# Altium PCB PCB1-recovery2.PcbDoc (part 1 of 5) (continued)
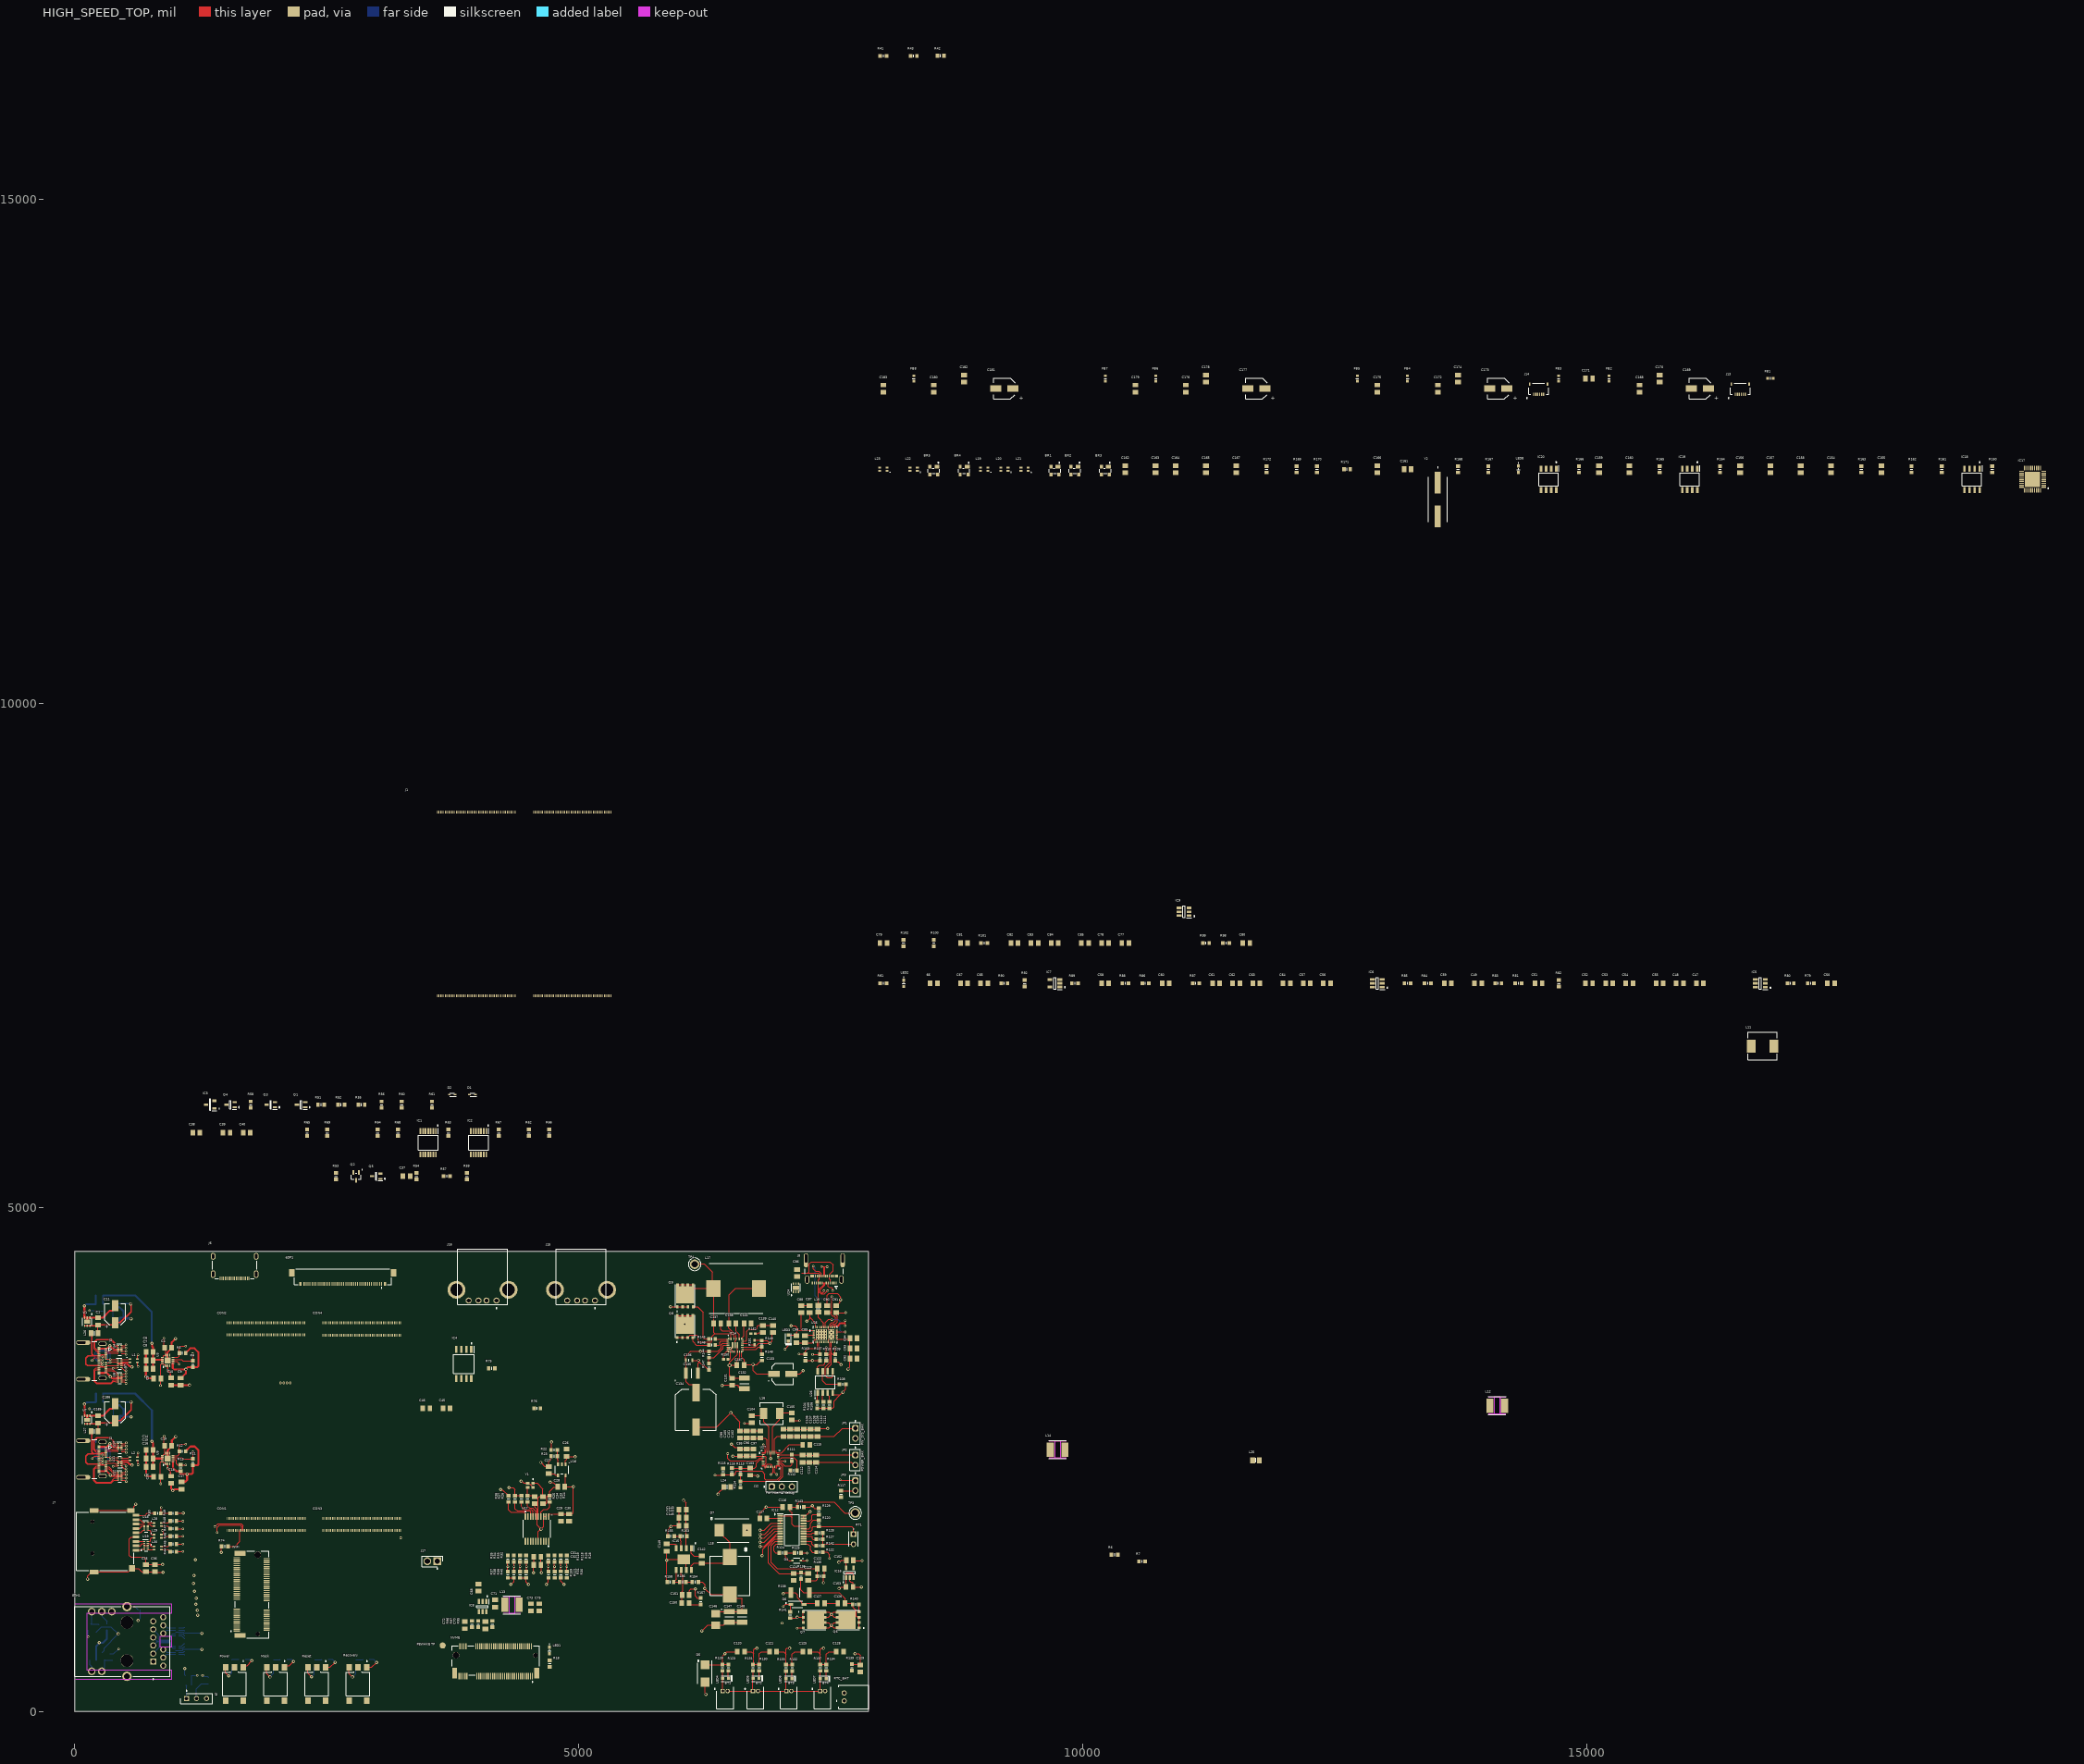
[diagram p0: HIGH_SPEED_TOP view]
## Components (designator, comment, footprint, x,y, rotation, side; value= is the part's Value field where it differs from the comment) (continued)
C105 "47nF/25V" C0805 7113,2929 r90 top value=47nF
C106 "0.1uF/50V" C0805 7030,2765.83 r270 top value=100nF
C107 "10uF/25V" C0805 7097.28,2765.83 r270 top value=10uF
C108 "10uF/25V" C0805 7164.57,2765.83 r270 top value=10uF
C109 "10uF/25V" C0805 7231.85,2765.83 r270 top value=10uF
C110 "10uF/25V" C0805 7299.14,2765.83 r270 top value=10uF
C111 "10uF/25V" C0805 7366.42,2765.83 r270 top value=10uF
C112 "0.1uF/50V" C0805 7219.72,2508.65 r90 top value=100nF
C113 "10uF/25V" C0805 7287,2508.65 r90 top value=10uF
C114 "10uF/25V" C0805 7354.28,2508.65 r90 top value=10uF
C115 "1nF/50V" C0805 7256,2647 r180 top value=1nF
C116 "1uF/25V" C0805 7057,2030 r180 top value=1uF
C117 "1uF/25V" C0805 6831,1918 r180 top value=1uF
C120 "1uF/25V" C0805 6608,595 r180 top value=1uF
C121 "1uF/25V" C0805 6926,595 r180 top value=1uF
C122 "0.1uF/25V" C0805 7401,1419 r180 top value=100nF
C123 "0.1uF/25V" C0805 7275,1336 r270 top value=100nF
C124 "0.1uF/25V" C0805 7130,1336 r90 top value=100nF
C125 "1uF/25V" C0805 7257,595 r180 top value=1uF
C126 "0.1uF/25V" C0805 7605,1074 r180 top value=100nF
C127 "0.1uF/25V" C0805 7402,1074 r180 top value=100nF
C128 "1uF/25V" C0805 7590,595 r180 top value=1uF
C129 "1uF/25V" C0805 7793,428.14 r270 top value=1uF
C131 "1uF/25V" C0805 6522,3273 r90 top value=1uF
C132 "22uF/25V" CAPC3225X270N 6641,3256 r90 top value=22uF
C133 "20SVPF56MX" 16SVF82M 7023,3351 r0 top value=56uF
C134 "120uF/35V" 16SVF1000M 6161.6,2994.51 r180 top value=120uF
C135 "10uF/50V" CAPC3225X230N 6120.88,3356.05 r180 top value=10uF
C136 "1uF/50V" CAPC1608X80N 6094,3487 r180 top value=1uF
C137 "0.1uF/16V" C0805 6373,3850 r180 top value=100nF
C138 "0.1uF/16V" C0805 6524,3850 r180 top value=100nF
C139 "4.7nF/16V" C0805 6826,3796 r90 top value=4.7nF
C140 "15pF/16V" C0805 6926,3796 r90 top value=15pF
C141 "4.7uF/16V" C0805 6674,3850 r180 top value=4.7uF
C142 "0.1uF/25V" C0805 6220,1508 r270 top value=100nF
C143 "4.7uF/50V" C0805 6030,2005 r0 top value=4.7uF
C144 "4.7uF/50V" C0805 6030,1924 r0 top value=4.7uF
C145 "10nF/50V" C0805 6030,1844 r0 top value=10nF
C146 "100uF/6.3V" T520B 6359,915 r270 top value=100uF
C147 "47uF/10V" CAPC3225X270N 6493.29,939.85 r270 top value=47uF
C148 "47uF/10V" CAPC3225X270N 6621,940 r270 top value=47uF
C149 "10nF/25V" C0805 5871.06,1628 r90 top value=10nF
C150 "2.2nF/25V" C0805 6058,1077 r180 top
C151 "22pF/50V" C0805 6059,1157 r180 top value=22pF
C152 "10uF/25V" C0805 7689.2,1501.2 r180 top value=10uF
C153 "10uF/25V" C0805 7685.03,1236.5 r180 top value=10uF
C154 "1uF/16V" C0805 17422.05,12325.2 r270 top value=1uF
C155 "1nF/50V" C0805 17922.05,12325.2 r270 top value=1nF
C156 "0.1uF/6.3V" C0805 16522.05,12325.2 r270 top value=100nF
C157 "4.7uF / 6.3V" C0805 16822.05,12325.2 r270 top value=4.7uF
C158 "0.1uF/6.3V" C0805 17122.05,12325.2 r270 top value=100nF
C159 "0.1uF/6.3V" C0805 15122.05,12325.2 r270 top value=100nF
C160 "0.1uF/6.3V" C0805 15422.05,12325.2 r270 top value=100nF
C161 "18pF/50V" C0805 13222.05,12325.2 r180 top value=18pF
C162 "0.1uF/6.3V" C0805 10422.05,12325.2 r270 top value=100nF
C163 "0.1uF/6.3V" C0805 10722.05,12325.2 r270 top value=100nF
C164 "0.1uF/6.3V" C0805 10922.05,12325.2 r270 top value=100nF
C165 "0.1uF/6.3V" C0805 11222.05,12325.2 r270 top value=100nF
C166 "0.1uF/6.3V" C0805 12922.05,12325.2 r270 top value=100nF
C167 "18pF/50V" C0805 11522.05,12325.2 r270 top value=18pF
C168 "0.1uF/6.3V" C0805 15522.05,13125.2 r270 top value=100nF
C169 "100uF / 6.3V" EEE0GA101SR 16122.05,13125.2 r180 top value=100uF
C170 "1nF/50V" C0805 15722.05,13225.2 r270 top value=1nF
C171 "0.1uF/6.3V" C0805 15022.05,13225.2 r180 top value=100nF
C172 "0.1uF/6.3V" C0805 13522.05,13125.2 r270 top value=100nF
C173 "100uF / 6.3V" EEE0GA101SR 14122.05,13125.2 r180 top value=100uF
C174 "1nF/50V" C0805 13722.05,13225.2 r270 top value=1nF
C175 "0.1uF/6.3V" C0805 12922.05,13125.2 r270 top value=100nF
C176 "0.1uF/6.3V" C0805 11022.05,13125.2 r270 top value=100nF
C177 "100uF / 6.3V" EEE0GA101SR 11722.05,13125.2 r180 top value=100uF
C178 "1nF/50V" C0805 11222.05,13225.2 r270 top value=1nF
C179 "0.1uF/6.3V" C0805 10522.05,13125.2 r270 top value=100nF
C180 "0.1uF/6.3V" C0805 8522.05,13125.2 r270 top value=100nF
C181 "100uF / 6.3V" EEE0GA101SR 9222.05,13125.2 r180 top value=100uF
C182 "1nF/50V" C0805 8822.05,13225.2 r270 top value=1nF
C183 "0.1uF/6.3V" C0805 8022.05,13125.2 r270 top value=100nF
C185 "0.1uF/6.3V" C0805 230,2899 r90 top value=100nF
C186 "100uF / 6.3V" EEE0GA101SR 400,2970 r90 top value=100uF
C187 "0.1uF/25V" C0805 6604,3438 r0 top value=100nF
CON1 "DF40HC" DF40HC30100DS04V51_MOD 1898.15,1856.04 r0 top
CON2 "DF40HC" DF40HC30100DS04V51_MOD 1897,3797 r0 top
CON3 "DF40HC" DF40HC30100DS04V51_MOD 2846.42,1856.26 r0 top
CON4 "DF40HC" DF40HC30100DS04V51_MOD 2847.03,3796.6 r0 top
D1 "30V/200mA" SODFL1608X70N 3943.66,6121.41 r180 top
D2 "30V/200mA" SODFL1608X70N 3743.66,6121.41 r180 top
D3 "30V/200mA" SODFL1608X70N 1131,261 r0 bottom
D4 "BAS316_RRG" BAS316RRG 7161,1499 r180 top
D5 "SMBJ26A-13-F" DIOM5336X250N 6252,379 r270 top
D6 "MMSZ5248B-7-F" SOD3716X115N 7168,1064 r0 top
D7 "CDBC540-G" DIOM8059X290N 6530,1799 r0 top
eDP1 "20455-040E-76" IPEX_20455-040E-76 2658.43,4318.59 r180 top
ETH1 "L829-1J1T-JM" RJ-45 517,696 r90 top
FB1 "220R / 100MHz" BLM18SP221SN1B 16822.05,13225.2 r180 top value=50mR
FB2 "220R / 100MHz" BLM18SP221SN1B 15222.05,13225.2 r270 top value=50mR
FB3 "220R / 100MHz" BLM18SP221SN1B 14722.05,13225.2 r270 top value=50mR
FB4 "220R / 100MHz" BLM18SP221SN1B 13222.05,13225.2 r270 top value=50mR
FB5 "220R / 100MHz" BLM18SP221SN1B 12722.05,13225.2 r270 top value=50mR
FB6 "220R / 100MHz" BLM18SP221SN1B 10722.05,13225.2 r270 top value=50mR
FB7 "220R / 100MHz" BLM18SP221SN1B 10222.05,13225.2 r270 top value=50mR
FB8 "220R / 100MHz" BLM18SP221SN1B 8322.05,13225.2 r270 top value=50mR
FB9 "220R / 100MHz" BLM18SP221SN1B 269.88,3369.11 r180 bottom value=50mR
FB10 "220R / 100MHz" BLM18SP221SN1B 270,2396 r180 bottom value=50mR
FB11 "220R / 100MHz" BLM18SP221SN1B 654,1010 r180 bottom value=50mR
IC1 "TMUX1511PWR" SOP65P640X120-14N 3505.05,5643.2 r270 top
IC2 "TMUX1511PWR" SOP65P640X120-14N 4005.05,5643.2 r270 top
IC3 "AP2331TDSA-7" SOT96P240X110-3N 1343.66,6021.41 r180 top
IC4 "AT25SF081B-SHB-T" SOIC127P798X216-8N 3859,3449 r270 top
IC5 "TPS564201DDCR" SOT95P280X110-6N 16722.05,7225.2 r180 top
IC6 "TPS564201DDCR" SOT95P280X110-6N 12922.05,7225.2 r180 top
IC7 "RT9193-18GB" SOT94P279X130-5N 9722.05,7225.2 r180 top
IC8 "TPS564201DDCR" SOT95P280X110-6N 4045,1043 r270 top
IC9 "TPS564201DDCR" SOT95P280X110-6N 11005,7936 r180 top
IC12 "BQ7791501PWR" SOP65P640X120-24N 7114,1803 r0 top
IC14 "TPS552882RPMR" TPS552882RPMR 6550.39,3635 r0 top
IC15 "TPS54531DDA" SOIC127P600X170-9N 6041,1512 r270 top
IC16 "TLV75533PDBVR" SOT95P280X145-5N 7688.2,1378.2 r90 top
IC17 "USB2514B-AEZG" QFN50P600X600X100-37N-D 19422.05,12225.2 r180 top
IC18 "MIC2505-1YM" SOIC127P599X173-8N 18822.05,12225.2 r270 top
IC19 "MIC2026-1YM" SOIC127P599X173-8N 16022.05,12225.2 r270 top
IC20 "MIC2026-1YM" SOIC127P599X173-8N 14622.05,12225.2 r270 top
J1 "CM3588 Hirose Connector" CM3588 4457,8003 r90 top
J2 "USBC" USB_C -5.79,3479.31 r270 top
J3 "USBC" USB_C -5.67,2506.21 r270 top locked
J6 "HDMI" HDMI_MINI 1585,4446 r180 top
J7 "MicroSD" CUI_MSD-4-A 302,1690 r270 top
J8 "USBC" USB_C 7435.18,4566.68 r180 top
J9 "2.54MM" HDRV3W64P0X254_1X3_762X254X864P 1107,131 r0 top
J12 "61300311121" 61300311121 7014,2232 r0 top
J13 "FPC_Connector_6P" 23287026 16522.05,13125.2 r180 top value=7.6pF
J14 "FPC_Connector_6P" 23287026 14522.05,13125.2 r180 top value=7.6pF
J15 "USB_Ext_1" TECONN-4POS-USB 5160.17,4078.31 r180 top
J16 "USB_Ext_2" TECONN-4POS-USB 4182.13,4078.31 r180 top
J17 "PowerOn_btn" HDRV2W110P0X254_1X2_508X254X854P 3597,1492 r180 top
JP1 "PW_SYS_BAK" 61300211121 7743,2761 r270 top
JP2 "POWER_BAK" 61300211121 7743,2496 r270 top
JP3 "TS" 61300211121 7743,2242 r270 top
L1 "400mA / 90 Ohm" ACM20129002PT002 582.91,3481.12 r0 top
L2 "400mA / 90 Ohm" ACM20129002PT002 583,2508 r0 top
L3 "ACM2012-900-2P-T002" ACM20129002PT002 1129,820 r180 bottom
L4 "ACM2012-900-2P-T002" ACM20129002PT002 1129,740 r180 bottom
L5 "ACM2012-900-2P-T002" ACM20129002PT002 1129,660 r180 bottom
L6 "ACM2012-900-2P-T002" ACM20129002PT002 1129,580 r180 bottom
L7 "ACM2012-900-2P-T002" ACM20129002PT002 1070.27,4252.25 r0 bottom
L8 "ACM2012-900-2P-T002" ACM20129002PT002 1292.43,4223.25 r0 bottom
L9 "ACM2012-900-2P-T002" ACM20129002PT002 1058.27,4394.25 r0 bottom
L10 "ACM2012-900-2P-T002" ACM20129002PT002 1086.85,4152 r0 bottom
L11 "MWSA0605S-3R3MT" IND_MWSA0603S_SNL 16744,6603 r180 top
L12 "WPN4020H2R2MT" IND_WPN4020H_SNL 14111,3036 r180 top
L13 "WPN4020H2R2MT" IND_WPN4020H_SNL 4337,1059 r180 top
L14 "WPN4020H2R2MT" IND_WPN4020H_SNL 9750,2600 r180 top
L15 "FBMJ2125HM210NT" INDC2012X105N 7376,3996 r270 top
L16 "IHLP2020BZER1R0M11" IHLP-2020BZ 6912,2958 r0 top value=1uH
L17 "8.2pH/13.8mOhms" INDPM135126X650N 6561,4198 r0 top value=8.2uH
L18 "74437368047" WE-LHMI_104048 6500,1348 r270 top value=4.7uH
L19 "400mA / 90 Ohm" ACM20129002PT002 9022.05,12325.2 r180 top
L20 "400mA / 90 Ohm" ACM20129002PT002 9222.05,12325.2 r180 top
L21 "400mA / 90 Ohm" ACM20129002PT002 9422.05,12325.2 r180 top
L22 "400mA / 90 Ohm" ACM20129002PT002 8322.05,12325.2 r180 top
L23 "400mA / 90 Ohm" ACM20129002PT002 8022.05,12325.2 r180 top
L24 "FBMJ2125HM210NT" INDC2012X105N 6473,2228 r0 top
L25 "FBMJ2125HM210NT" INDC2012X105N 11718,2493 r180 top
L26 "FBMJ2125HM210NT" INDC2012X105N 195.91,3754.11 r0 top
L27 "FBMJ2125HM210NT" INDC2012X105N 196,2781 r0 top
L28 "ACM2012-900-2P-T002" ACM20129002PT002 823,1856 r0 top
L29 "ACM2012-900-2P-T002" ACM20129002PT002 823,1740 r0 top
L30 "ACM2012-900-2P-T002" ACM20129002PT002 823,1624 r0 top
LED1 "Green, 3.2V, 140°" WL-SMCD_0603 4708,607 r270 top
LED2 "Blue, 3.2V, 140°" WL-SMCD_0603 8222.05,7225.2 r270 top
LED3 "LTST-C190GKT" LED_LTST-C190 7080,3705 r270 top value=Green
LED4 "LTST-C190GKT" LED_LTST-C190 6455.47,329 r0 top value=Green
LED5 "LTST-C190GKT" LED_LTST-C190 6757.42,329.07 r0 top value=Green
LED6 "LTST-C190GKT" LED_LTST-C190 7084,327 r0 top value=Green
LED7 "LTST-C190GKT" LED_LTST-C190 7424,326 r0 top value=Green
LED8 "Green, 3.2V, 140°" WL-SMCD_0603 14322.05,12325.2 r270 top
Mask "SW_SMT" SW_TS06-667-25-BK-100-G-SMT-TR 1991.67,274 r270 top
NVME "Bus_M.2_Socket_M" AMPHENOL_MDT420M03001 4175.16,559.68 r180 top
Power "SW_SMT" SW_TS06-667-25-BK-100-G-SMT-TR 1583,274 r270 top
Q1 "2SK3018-TP" SOT65P228X120-3N 2243.66,6021.41 r180 top
Q2 "2N7002WT1G" SOT-323-3_2P2X1P35_ONS 2790,5311.73 r180 top
Q3 "2SK3018-TP" SOT65P228X120-3N 1943.66,6021.41 r180 top
Q4 "2SK3018-TP" SOT65P228X120-3N 1543.66,6021.41 r180 top
Q5 "2SK3018-TP" SOT65P228X120-3N 2990,5311.73 r180 top
Q6 "CSD18514Q5A" CSD18514Q5A 7672.6,909.82 r0 top
Q7 "CSD18514Q5A" CSD18514Q5A 7335.54,909.82 r180 top
Q8 "CSD18514Q5A" CSD18514Q5A 6053.82,3820.54 r270 top
Q9 "CSD18514Q5A" CSD18514Q5A 6056,4124 r270 top
R1 "100k" RESC1608X55N 205.91,4010.09 r270 bottom value=100kR
R2 "6.8K" RESC1608X55N 415.91,3847.1 r180 bottom value=6.8kR
R3 "6.8K" RESC1608X55N 415.91,3907.1 r180 bottom value=6.8kR
R4 "2.2K" RESC1608X55N 1170.91,3449.11 r90 top value=2.2kR
R5 "2.2K" RESC1608X55N 1067.91,3556.12 r180 top value=2.2kR
R6 "0R" RESC1608X55N 10315.5,1557 r180 top
R7 "0R" RESC1608X55N 10588,1491 r180 top
R8 "6.8K" RESC1608X55N 416,2874 r180 bottom value=6.8kR
R9 "6.8K" RESC1608X55N 416,2934 r180 bottom value=6.8kR
R10 "100k" RESC1608X55N 206,3037 r270 bottom value=100kR
R11 "2.2K" RESC1608X55N 1171,2476 r90 top value=2.2kR
R12 "2.2K" RESC1608X55N 1068,2583 r180 top value=2.2kR
R13 "10K" RESC1608X55N 1048,2417 r270 top value=10kR
R14 "560R" RESC1608X55N 181,512 r0 bottom
R15 "560R" RESC1608X55N 319,838 r270 bottom
R16 "560R" RESC1608X55N 374,542 r270 bottom
R17 "560R" RESC1608X55N 161,838 r90 bottom
R18 "47K" RESC1608X55N 4710,476.5 r270 top value=47kR
R19 "0R" RESC1608X55N 4099,762 r90 bottom
R20 "0R" RESC1608X55N 4038,762 r90 bottom
R21 "0R" RESC1608X55N 3978,762 r90 bottom
R22 "10K" RESC1608X55N 4756.5,2595 r180 top value=10kR
R23 "100k" RESC1608X55N 4756,2534 r0 top value=100kR
R24 "4.7K" RESC1608X55N 4712,2111 r270 top value=4.7kR
R25 "100R" RESC1608X55N 4491,2111 r270 top
R26 "10K" RESC1608X55N 4430,2111 r90 top value=10kR
R27 "10K" RESC1608X55N 4367,2111 r90 top value=10kR
R28 "33R" RESC1608X55N 4881,1517.5 r270 top
R29 "33R" RESC1608X55N 4820,1517.5 r270 top
R30 "49.9R" RESC1608X55N 4881,1359 r270 top
R31 "49.9R" RESC1608X55N 4820,1359.5 r270 top
R32 "33R" RESC1608X55N 4478,1517 r270 top
R33 "33R" RESC1608X55N 4417,1517 r270 top
R34 "33R" RESC1608X55N 4356,1517 r270 top
R35 "33R" RESC1608X55N 4295.05,1517 r270 top
R36 "470R" RESC1608X55N 4303,2111 r270 top
R37 "49.9R" RESC1608X55N 4295.05,1359 r270 top
R38 "49.9R" RESC1608X55N 4356,1359 r270 top
R39 "49.9R" RESC1608X55N 4417,1359 r270 top
R40 "49.9R" RESC1608X55N 4478,1359 r270 top
R41 "2.2K" RESC1608X55N 8022.05,16425.2 r180 top value=2.2kR
R42 "0R" RESC1608X55N 8590,16427 r180 top
R43 "0R" RESC1608X55N 8322.05,16425.2 r180 top
R44 "33R" RESC1608X55N 977,1587 r180 top
R45 "33R" RESC1608X55N 977,1663.2 r180 top
R46 "33R" RESC1608X55N 977,1739.4 r180 top
R47 "33R" RESC1608X55N 977,1815.6 r180 top
R48 "33R" RESC1608X55N 977,1891.8 r180 top
R49 "33R" RESC1608X55N 977,1968 r0 top
R50 "33R" RESC1608X55N 824,1968 r180 top
R51 "10K" RESC1608X55N 2443.66,6021.41 r180 top value=10kR
R52 "10K" RESC1608X55N 2643.66,6021.41 r180 top value=10kR
R53 "47K" RESC1608X55N 2590,5311.73 r270 top value=47kR
R54 "1.8K" RESC1608X55N 3390,5311.73 r270 top value=1.8kR
R55 "10K" RESC1608X55N 2843.66,6021.41 r180 top value=10kR
R56 "1.8K" RESC1608X55N 3043.66,6021.41 r270 top value=1.8kR
R57 "10K" RESC1608X55N 3690,5311.73 r180 top value=10kR
R58 "1K" RESC1608X55N 1743.66,6021.41 r270 top value=1kR
R59 "1.8K" RESC1608X55N 3890,5311.73 r270 top value=1.8kR
R60 "27K" RESC1608X55N 3243.66,6021.41 r270 top value=27kR
R61 "27K" RESC1608X55N 3543.66,6021.41 r270 top value=27kR
R62 "499R" RESC1608X55N 4505.05,5743.2 r270 top
R63 "499R" RESC1608X55N 3705.05,5743.2 r270 top
R64 "499R" RESC1608X55N 3005.05,5743.2 r270 top
R65 "499R" RESC1608X55N 2305.05,5743.2 r270 top
R66 "499R" RESC1608X55N 4705.05,5743.2 r270 top
R67 "499R" RESC1608X55N 4205.05,5743.2 r270 top
R68 "499R" RESC1608X55N 3205.05,5743.2 r270 top
R69 "499R" RESC1608X55N 2505.05,5743.2 r270 top
R70 "100R" RESC1608X55N 1659,518 r0 bottom
R71 "100R" RESC1608X55N 2483,518 r0 bottom
R72 "100R" RESC1608X55N 2074,518 r0 bottom
R73 "100R" RESC1608X55N 2892,518 r0 bottom
R74 "0R" RESC1608X55N 1488,1639 r0 top
R75 "10K" RESC1608X55N 4137,3407 r180 top value=10kR
R76 "10K" RESC1608X55N 4587.05,3008.2 r180 top value=10kR
R77 "10K" RESC1608X55N 1128,359 r180 bottom value=10kR
R78 "33R" RESC1608X55N 1326,307 r270 bottom
R79 "0R" RESC1608X55N 17222.05,7225.2 r180 top
R80 "0R" RESC1608X55N 17022.05,7225.2 r180 top
R81 "10K" RESC1608X55N 14322.05,7225.2 r180 top value=10kR
R82 "56K" RESC1608X55N 14722.05,7225.2 r270 top value=56kR
R83 "10K" RESC1608X55N 14122.05,7225.2 r180 top value=10kR
R84 "0R" RESC1608X55N 13422.05,7225.2 r180 top
R85 "0R" RESC1608X55N 13222.05,7225.2 r180 top
R86 "10K" RESC1608X55N 10622.05,7225.2 r180 top value=10kR
R87 "33K" RESC1608X55N 11122.05,7225.2 r180 top value=33kR
R88 "10K" RESC1608X55N 10422.05,7225.2 r180 top value=10kR
R89 "0R" RESC1608X55N 9922.05,7225.2 r180 top
R90 "100k" RESC1608X55N 9222.05,7225.2 r180 top value=100kR
R91 "150K" RESC1608X55N 8022.05,7225.2 r180 top value=150kR
R92 "27K" RESC1608X55N 9422.05,7225.2 r270 top value=27kR
R93 "0R" RESC1608X55N 4018,1252 r180 bottom
R94 "0R" RESC1608X55N 4017.57,1192 r180 bottom
R95 "10K" RESC1608X55N 4142,869 r90 top value=10kR
R96 "33K" RESC1608X55N 3940,869 r270 top value=33kR
R97 "10K" RESC1608X55N 4001,869 r90 top value=10kR
R98 "0R" RESC1608X55N 11422.05,7625.2 r180 top
R99 "0R" RESC1608X55N 11222.05,7625.2 r180 top
R100 "10K" RESC1608X55N 8522.05,7625.2 r270 top value=10kR
R101 "33K" RESC1608X55N 9022.05,7625.2 r180 top value=33kR
R102 "10K" RESC1608X55N 8222.05,7625.2 r270 top value=10kR
R103 "4.7K" RESC1608X55N 7248.14,3513.62 r270 top value=4.7kR
R104 "10K" RESC1608X55N 7364.26,3041.55 r90 top value=10kR
R105 "10K" RESC1608X55N 7426.18,3041.54 r90 top value=10kR
R106 "10K" RESC1608X55N 7488,3041.5 r90 top value=10kR
R107 "4.7K" RESC1608X55N 7392.14,3512.62 r270 top value=4.7kR
R108 "10K" RESC1608X55N 7618,3247 r180 top value=10kR
R109 "2.2K" RESC1608X55N 7543.21,3512.62 r90 top value=2.2kR
R110 "2.2K" RESC1608X55N 7455.21,3512.62 r90 top value=2.2kR
R111 "100R" RESC1608X55N 7113,2517.5 r270 top
R112 "17.4K" RESC1608X55N 7132,2392 r0 top value=17.4kR
R113 "137K" RESC1608X55N 6604,2384 r90 top value=137kR
R114 "100k" RESC1608X55N 6604,2253 r90 top value=100kR
R115 "30K" RESC1608X55N 6432,2382.5 r270 top value=30kR
R116 "5.23K" RESC1608X55N 6519,2384 r90 top value=5.23kR
R117 "10K" RESC1608X55N 7601,2159 r90 top value=10kR
R118 "33R" RESC1608X55N 4759,1517 r270 top
R119 "33R" RESC1608X55N 4698,1517 r270 top
R120 "10K" RESC1608X55N 7381.87,1868 r270 top value=10kR
R121 "49.9R" RESC1608X55N 4760,1359 r270 top
R122 "5.1K" RESC1608X55N 7389,1582 r0 top value=5.1kR
R123 "1K" RESC1608X55N 6484,437 r90 top value=1kR
R124 "5.1K" RESC1608X55N 7021,1574 r0 top value=5.1kR
R125 "1M" RESC1608X55N 7173,1574 r0 top value=1MR
R126 "33R" RESC1608X55N 6425,437 r90 top
R127 "10K" RESC1608X55N 7389,1710 r180 top value=10kR
R128 "100k" RESC1608X55N 7389,1773 r180 top value=100kR
R129 "10K" RESC1608X55N 7381.87,1985.97 r270 top value=10kR
R130 "1K" RESC1608X55N 6789,437 r90 top value=1kR
R131 "33R" RESC1608X55N 6728,437 r90 top
R132 "1K" RESC1608X55N 7117,435 r90 top value=1kR
R133 "33R" RESC1608X55N 7056,435 r90 top
R134 "1K" RESC1608X55N 7455,437 r90 top value=1kR
R135 "100R" RESC1608X55N 7398,1343 r180 top
R136 "100R" RESC1608X55N 7204,1347 r90 top
R137 "33R" RESC1608X55N 7395,437 r90 top
R138 "CMP-R015-1.0" RESC5025X70N 7287,1180 r180 top
R139 "33R" RESC1608X55N 7710,439 r90 top
R140 "10M" RESC1608X55N 7748,1064 r180 top value=10MR
R141 "3M" RESC1608X55N 7097,960 r270 top value=3MR
R142 "470K" RESC1608X55N 7389,1647 r0 top value=470kR
R143 "1K" RESC1608X55N 7202,2030 r0 top value=1kR
R144 "549K" RESC1608X55N 6291,3543 r90 top value=549kR
R145 "1R" RESC1608X55N 6321.73,3697.5 r180 top
R146 "1R" RESC1608X55N 6321.73,3636.5 r180 top
R147 "100k" RESC1608X55N 6291,3421 r90 top value=100kR
R148 "100k" RESC1608X55N 6816,3515 r270 top value=100kR
R149 "10.4K" RESC1608X55N 6814,3650 r270 top
R150 "50K" RESC1005X40N 6456.73,3495.5 r0 top
R151 "31.6K" RESC1005X40N 6744,3662 r270 top
R152 "54.9K" RESC1005X40N 6729,3750 r0 top
R153 "665K" RESC1608X55N 6039,1741 r0 top value=665kR
R154 "51.1R" RESC1608X55N 6156,1287 r0 top
R155 "130K" RESC1608X55N 5915,1740 r0 top value=130kR
R156 "10.2K" RESC1608X55N 6032,1287 r0 top value=10.2kR
R157 "37.4K" RESC1608X55N 6209,1095 r270 top value=37.4kR
R158 "1.96K" RESC1608X55N 5909,1287 r0 top value=1.96kR
R159 "49.9R" RESC1608X55N 4699,1359 r270 top
R160 "100k" RESC1608X55N 19022.05,12325.2 r270 top value=100kR
R161 "1K" RESC1608X55N 18522.05,12325.2 r270 top value=1kR
R162 "0R" RESC1608X55N 18222.05,12325.2 r270 top
R163 "100k" RESC1608X55N 17722.05,12325.2 r270 top value=100kR
R164 "10K" RESC1608X55N 16322.05,12325.2 r270 top value=10kR
R165 "1K" RESC1608X55N 15722.05,12325.2 r270 top value=1kR
R166 "100k" RESC1608X55N 14922.05,12325.2 r270 top value=100kR
R167 "100k" RESC1608X55N 14022.05,12325.2 r270 top value=100kR
R168 "1.24K" RESC1608X55N 13722.05,12325.2 r270 top value=1.24kR
R169 "100k" RESC1608X55N 12122.05,12325.2 r270 top value=100kR
R170 "100k" RESC1608X55N 12322.05,12325.2 r270 top value=100kR
R171 "100k" RESC1608X55N 12622.05,12325.2 r180 top value=100kR
R172 "1M" RESC1608X55N 11822.05,12325.2 r270 top value=1MR
Recovery "SW_SMT" SW_TS06-667-25-BK-100-G-SMT-TR 2809,274 r270 top
Reset "SW_SMT" SW_TS06-667-25-BK-100-G-SMT-TR 2400.33,274 r270 top
RT1 "103AT-2" 103AT2 7725,1761 r180 top
RTC_BAT "S2B-PH-K-S" S2BPHKS 7632,106.26 r270 top value=10uF
TP3 "CHARGE_TP" KEYSTONE_5006 7743,1971 r180 top
TP4 "Converter_TP" KEYSTONE_5006 6149,4438 r180 top
U1 "TVS2200DRVR" SON65P200X200X80-7N 122.91,3868.13 r270 top
U2 "SY6280AAC" SOT95P285X140-5N 330.91,4011.12 r180 bottom
U3 "FUSB302BMPX" QFN50P250X250X80-15N 920.87,3483.4 r90 top
U4 "TPD4E02B04DQAR" DQA0010A 445.87,3592.1 r0 top
U5 "TPD4E02B04DQAR" DQA0010A 444,3451.5 r0 top
U6 "TPD4E02B04DQAR" DQA0010A 445.87,3309.11 r0 top
U7 "TVS2200DRVR" SON65P200X200X80-7N 123,2895 r270 top
U8 "SY6280AAC" SOT95P285X140-5N 331,3038 r180 bottom
U9 "FUSB302BMPX" QFN50P250X250X80-15N 920.96,2510.31 r90 top
U10 "TPD4E02B04DQAR" DQA0010A 445.95,2619 r0 top
U11 "TPD4E02B04DQAR" DQA0010A 445,2477.5 r180 top
U12 "TPD4E02B04DQAR" DQA0010A 445.95,2336 r0 top
U13 "TPS22917LDBVR" DBV0006_L 2777.4,4192.2 r90 bottom
U14 "TPD4E02B04DQAR" DQA0010A 1014,791 r180 bottom
U15 "TPD4E02B04DQAR" DQA0010A 1014,608.31 r180 bottom
U16 "RT9193-33GB" SOT-23-5_RIT 4832,2398 r270 top
U17 "PI6C557-05BLE" L20_PER-M 4585,1813 r270 top
U18 "TPD4E02B04DQAR" DQA0010A 706,1839.68 r0 top
U19 "TPD4E02B04DQAR" DQA0010A 706,1649 r0 top
U20 "TPD4E02B04DQAR" DQA0010A 1718,4080 r270 bottom
U21 "TPD4E02B04DQAR" DQA0010A 1700,4207 r270 bottom
U22 "TPD4E02B04DQAR" DQA0010A 1471.37,4123.73 r270 bottom
U23 "TPD4E02B04DQAR" DQA0010A 1560.31,4204.27 r270 bottom
U24 "TVS2200DRVR" SON65P200X200X80-7N 7154.49,4205.37 r90 top
U25 "TPS25750DRJK" RJK0038B-C01-MFG 7444.21,3740.62 r0 top
U26 "CAT24C256WI-GT3" SOIC127P600X175-8N 7444,3269 r90 top
U27 "BQ25792RQM" RQM0029A-MFG 6903,2502 r0 top
WIFI "Bus_M.2_Socket_E" AMPHENOL_MDT320E01001 1814.68,1162.47 r90 top
Y1 "25MHz/15PPM/8pF" XTAL_ECS-250-8-37B2-RWY-TR 4520,2246 r180 top
Y2 "24MHz/18pf/50Ohms" HCM4924000000ABJT 13522.05,12025.2 r270 top

## Footprints (in the part's own frame and the unit in brackets; to place one, negate y for a bottom-side part, rotate by r counter-clockwise, add the part's x,y. Pads: shape width x height; smd on the part's side, far side on the other; paste and mask are expansions set on the pad)
16SVF82M [mm]
  rect 3x1.6 smd: 1(-2.2,0) 2(2.2,0)
  silkscreen extent -3.56,-2.65 2.65,2.65, body extent -3,-2.65 3,2.65, height 5.93
16SVF1000M [mm]
  rect 1.9x4.4 smd: 1(0,-4.35) 2(0,4.35)
  silkscreen extent -5.15,-7.42 5.28,5.15, body extent -5.15,-5.5 5.15,5.5, height 12.63
103AT2 [mm]
  rect 1.416x1.416 hole 0.91: 1(0,0)
  round 1.416 hole 0.91: 2(0,2.54)
  silkscreen extent -1.2,-1.3 1.2,3.12, body extent -1.2,-0.58 1.2,3.12, height 6.44
23287026 [mm]
  rect 0.3x0.8 smd: 1(1.25,1.4) 2(0.75,1.4) 3(0.25,1.4) 4(-0.25,1.4) 5(-0.75,1.4) 6(-1.25,1.4)
  rect 0.4x0.8 smd: MP1(-2.25,-1.1) MP2(2.25,-1.1)
  silkscreen extent -2.5,-1.4 3.05,2.54, body extent -2.5,-1.66 2.5,2.17, height 1.06
61300211121 [mm] "Pin Header, pitch 2.54 mm, THT, Vertical, single row, 2p"
  rrect50% 1.6x1.6 hole 1.1: 1(-1.27,0)
  round 1.6 hole 1.1: 2(1.27,0)
  silkscreen extent -3.26,-1.35 2.69,1.35, body extent -2.54,-1.27 2.54,1.27, height 8.57
61300311121 [mm] "Pin Header, pitch 2.54 mm, THT, Vertical, single row, 3p"
  rrect50% 1.6x1.6 hole 1.1: 1(-2.54,0)
  round 1.6 hole 1.1: 2(0,0) 3(2.54,0)
  silkscreen extent -4.53,-1.35 3.96,1.35, body extent -3.81,-1.27 3.81,1.27, height 8.57
ACM20129002PT002 [mm]
  rect 0.75x0.4 smd: 1(-0.925,0.4) 2(-0.925,-0.4) 3(0.925,-0.4) 4(0.925,0.4)
  silkscreen extent -1.72,0.73 -1.62,0.83, body extent -1,-0.6 1,0.6, height 1.2
AMPHENOL_MDT320E01001 [mm]
  rect 0.3x1.55 smd mask+0.05: 1(-9.25,5.275) 2(-9,-2.275) 3(-8.75,5.275) 4(-8.5,-2.275) 5(-8.25,5.275) 6(-8,-2.275) 7(-7.75,5.275) 8(-7.5,-2.275) 9(-7.25,5.275) 10(-7,-2.275) 11(-6.75,5.275) 12(-6.5,-2.275) 13(-6.25,5.275) 14(-6,-2.275) 15(-5.75,5.275) 16(-5.5,-2.275) 17(-5.25,5.275) 18(-5,-2.275) 19(-4.75,5.275) 20(-4.5,-2.275) 21(-4.25,5.275) 22(-4,-2.275) 23(-3.75,5.275) 32(-1.5,-2.275) 33(-1.25,5.275) 34(-1,-2.275) 35(-0.75,5.275) 36(-0.5,-2.275) 37(-0.25,5.275) 38(0,-2.275) 39(0.25,5.275) 40(0.5,-2.275) 41(0.75,5.275) 42(1,-2.275) 43(1.25,5.275) 44(1.5,-2.275) 45(1.75,5.275) 46(2,-2.275) 47(2.25,5.275) 48(2.5,-2.275) 49(2.75,5.275) 50(3,-2.275) 51(3.25,5.275) 52(3.5,-2.275) 53(3.75,5.275) 54(4,-2.275) 55(4.25,5.275) 56(4.5,-2.275) 57(4.75,5.275) 58(5,-2.275) 59(5.25,5.275) 60(5.5,-2.275) 61(5.75,5.275) 62(6,-2.275) 63(6.25,5.275) 64(6.5,-2.275) 65(6.75,5.275) 66(7,-2.275) 67(7.25,5.275) 68(7.5,-2.275) 69(7.75,5.275) 70(8,-2.275) 71(8.25,5.275) 72(8.5,-2.275) 73(8.75,5.275) 74(9,-2.275) 75(9.25,5.275)
  rect 1.2x2.75 smd mask+0.05: S1(-10.35,4.5) S2(10.35,4.5)
  round 1.15 hole 1.15 unplated: ""(-10,0)
  round 1.65 hole 1.65 unplated: ""(10,0)
  silkscreen extent -11,-2.85 11,6.85, body extent -11,-4.6 11,3.95, height 3.2
AMPHENOL_MDT420M03001 [mm]
  rect 0.3x1.55 smd: 1(-9.25,5.275) 2(-9,-2.275) 3(-8.75,5.275) 4(-8.5,-2.275) 5(-8.25,5.275) 6(-8,-2.275) 7(-7.75,5.275) 8(-7.5,-2.275) 9(-7.25,5.275) 10(-7,-2.275) 11(-6.75,5.275) 12(-6.5,-2.275) 13(-6.25,5.275) 14(-6,-2.275) 15(-5.75,5.275) 16(-5.5,-2.275) 17(-5.25,5.275) 18(-5,-2.275) 19(-4.75,5.275) 20(-4.5,-2.275) 21(-4.25,5.275) 22(-4,-2.275) 23(-3.75,5.275) 24(-3.5,-2.275) 25(-3.25,5.275) 26(-3,-2.275) 27(-2.75,5.275) 28(-2.5,-2.275) 29(-2.25,5.275) 30(-2,-2.275) 31(-1.75,5.275) 32(-1.5,-2.275) 33(-1.25,5.275) 34(-1,-2.275) 35(-0.75,5.275) 36(-0.5,-2.275) 37(-0.25,5.275) 38(0,-2.275) 39(0.25,5.275) 40(0.5,-2.275) 41(0.75,5.275) 42(1,-2.275) 43(1.25,5.275) 44(1.5,-2.275) 45(1.75,5.275) 46(2,-2.275) 47(2.25,5.275) 48(2.5,-2.275) 49(2.75,5.275) 50(3,-2.275) 51(3.25,5.275) 52(3.5,-2.275) 53(3.75,5.275) 54(4,-2.275) 55(4.25,5.275) 56(4.5,-2.275) 57(4.75,5.275) 58(5,-2.275) 67(7.25,5.275) 68(7.5,-2.275) 69(7.75,5.275) 70(8,-2.275) 71(8.25,5.275) 72(8.5,-2.275) 73(8.75,5.275) 74(9,-2.275) 75(9.25,5.275)
  rect 1.2x2.75 smd: S1(-10.35,4.5) S2(10.35,4.5)
  round 1.15 hole 1.15 unplated: ""(-10,0)
  round 1.65 hole 1.65 unplated: ""(10,0)
  silkscreen extent -11,-2.35 11,6.85, body extent -11,-2.85 11,5.7, height 4.2
BAS316RRG [mm]
  rect 0.61x0.49 smd: 1(-1.065,0) 2(1.065,0)
  silkscreen extent -1.65,-0.64 0.85,0.64, body extent -1.32,-0.64 1.32,0.64, height 1.2
BF998215 [mm]
  rect 1.2x0.9 smd: 1(-0.8,-0.625)
  rect 0.8x0.9 smd: 2(1,-0.625) 3(1,1.375) 4(-1,1.375)
  silkscreen extent -1.45,-1.78 1.45,1.02, body extent -1.2,-1.23 1.2,1.67, height 1.1
BLM18SP221SN1B [mm]
  rect 0.65x0.7 smd: 1(-0.675,0) 2(0.675,0)
  silkscreen extent 0,-0.3 0,0.3, body extent -0.8,-0.4 0.8,0.4, height 0.8
C0805 [mm]
  rect 1.15x1.45 smd: 1(-0.9,0) 2(0.9,0)
  body extent -1.1,-0.72 1.1,0.73, height 0.88
CAPC1608X80N [mm]
  rect 0.54x0.94 smd: 1(-0.8,0) 2(0.8,0)
  silkscreen extent 0,-0.3 0,0.3, body extent -0.8,-0.4 0.8,0.4, height 0.8
CAPC3225X230N [mm]
  rect 0.92x2.82 smd: 1(-1.54,0) 2(1.54,0)
  silkscreen extent 0,-1.15 0,1.15, body extent -1.6,-1.25 1.6,1.25, height 2.5
CAPC3225X270N [mm]
  rect 1.26x2.72 smd: 1(-1.33,0) 2(1.33,0)
  silkscreen extent 0,-1.15 0,1.15, body extent -1.6,-1.25 1.6,1.25, height 2.7